# Altium PCB MATEKH743.PcbDoc (part 1 of 2) (continued)
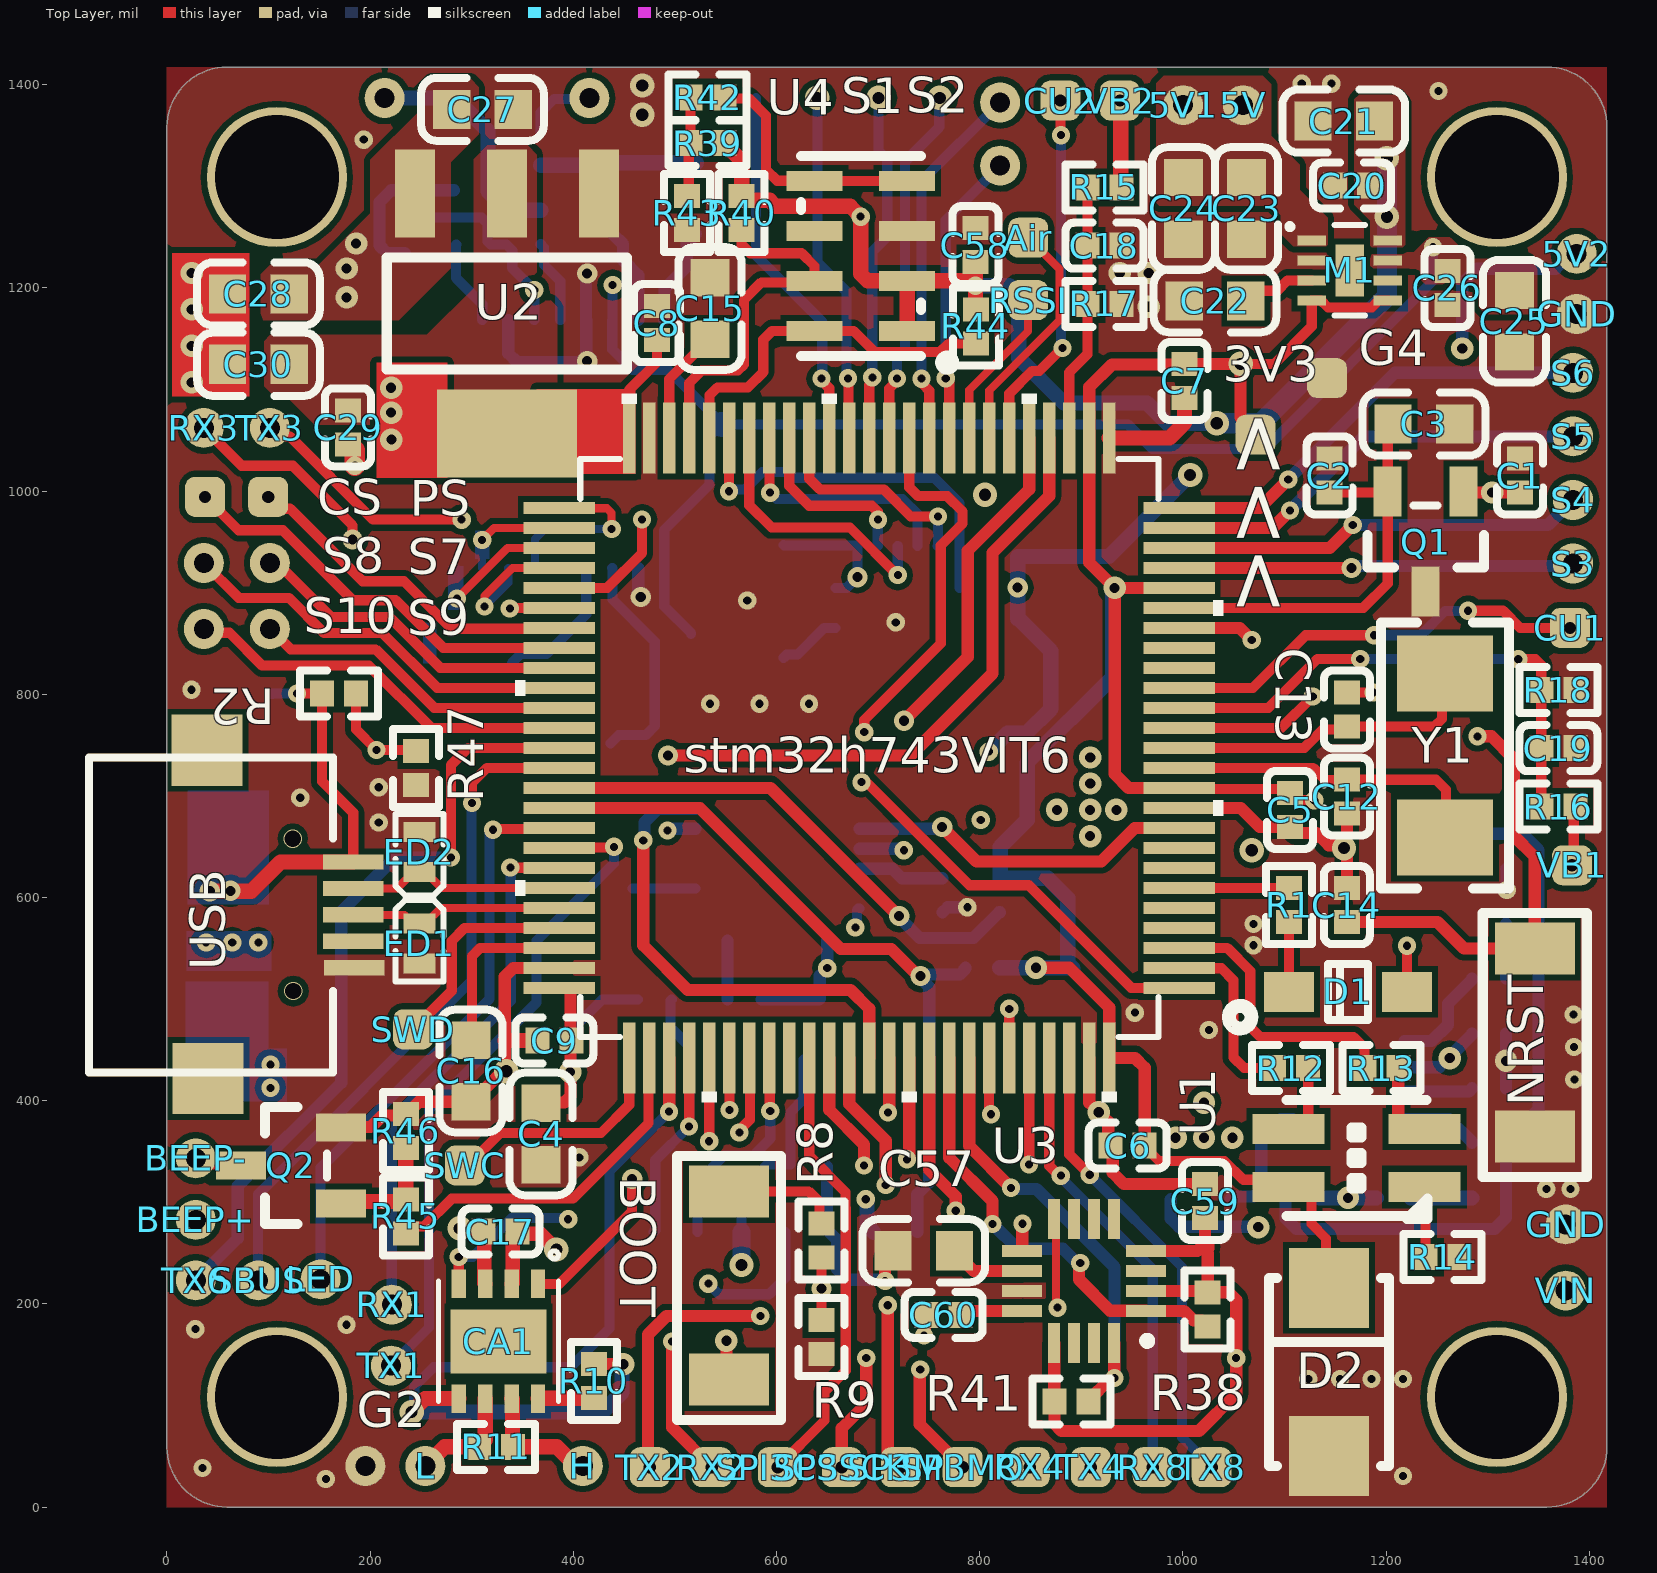
[diagram p0: Top Layer view]
## Components (designator, comment, footprint, x,y, rotation, side; value= is the part's Value field where it differs from the comment)
3V3 "1P" 1P-1.0 1071.5,1055.6 r0 top
5V "pin" DIAN_0.5-1.0 1059.2,1379.9 r0 top
5V1 "pin" DIAN_0.5-1.0 1000.3,1379.9 r0 top
5V2 "pin" DIAN_0.5-1.0 1387.6,1233.6 r0 top
Air "1P" 1P-1.0 847.7,1249.5 r90 top
BEEP+ "pin" DIAN_0.5-1.0 28.4,282.8 r90 top
BEEP- "pin" DIAN_0.5-1.0 28.4,343.4 r90 top
BOOT "sw" SW_3*4mm 553.3,218.3 r270 top
C1 "104" 0402_C 1331.7,1015.37 r270 top
C2 "104" 0402_C 1144.5,1015.37 r270 top
C3 "2.2u" 0603_C 1237.2,1066.2 r180 top
C4 "10uf" 0603_C 368.3,367.3 r90 top
C5 "104" 0402_C 1105.5,686.2 r270 top
C6 "104" 0402_C 945.7,355.8 r180 top
C7 "104" 0402_C 1001.5,1108.5 r270 top
C8 "104" 0402_C 482.3,1165.3 r90 top
C9 "104" 0402_C 381.3,459.3 r180 top
C10 "2.2U" 0603_C 891.7,500.1 r90 bottom
C11 "104" 0402_C 630.6,337.5 r180 bottom
C12 "12P" 0402_C 1161.5,699.3 r90 top
C13 "12P" 0402_C 1161.5,785.23 r270 top
C14 "104" 0402_C 1161.3,592.5 r270 top
C15 "2.2u" 0603_C 534.6,1179.8 r270 top
C16 "2.2u" 0603_C 299.3,429.3 r90 top
C17 "104" 0402_C 328.3,271.3 r0 top
C18 "10nf" 0402_C 922.73,1241.57 r180 top
C19 "10nf" 0402_C 1369.5,747 r180 top
C20 "104" 0402_C 1166.57,1300.7 r0 top
C21 "10U" 0603_C 1158.3,1364.3 r180 top
C22 "104" 0603_C 1031.6,1187.3 r180 top
C23 "104" 0603_C 1062.6,1278.3 r90 top
C24 "10u" 0603_C 1000.6,1278.3 r90 top
C25 "10U" 0603_C 1326.3,1167.3 r270 top
C26 "104" 0402_C 1260.3,1200.03 r90 top
C27 "4.7u" 0603_C 310.58,1375.8 r0 top
C28 "104" 0603_C 90.09,1194.1 r0 top
C29 "104" 0402_C 178.3,1062.9 r90 top
C30 "10U" 0603_C 90.09,1125 r180 top
C31 "4.7u" 0603_C 984.5,426.41 r270 bottom
C32 "0.1u" 0402_C 1047.1,418.4 r270 bottom
C35 "104" 0402_C 1301.33,574.15 r0 bottom
C37 "22uf" 1206_C 995.2,602.3 r90 bottom
C39 "33pf" 0402_C 1301.33,304.4 r0 bottom
C41 "104" 0402_C 1301.33,412.3 r180 bottom
C43 "47uF" 0805_C 520.9,1288.2 r90 bottom
C44 "47uF" 0805_C 438.9,1288.2 r90 bottom
C45 "104" 0402_C 367.9,1259.75 r90 bottom
C46 "104" 0402_C 234,1250.97 r270 bottom
C47 "104" 0402_C 532.5,859.5 r0 bottom
C48 "104" 0402_C 837.5,1049 r270 bottom
C49 "2.2nF (222) 10% 50V" LC-0402_C 458.5,592.2 r270 bottom
C50 "104" LC-0402_C 607,930.23 r90 bottom
C51 "2.2u" 0603_C 837.2,844.2 r90 bottom
C52 "104" LC-0402_C 607,852.77 r90 bottom
C53 "103" LC-0402_C 658.43,499.7 r180 bottom
C54 "104" LC-0402_C 568.4,499.7 r180 bottom
C55 "103" LC-0402_C 837.5,952.53 r90 bottom
C56 "104" LC-0402_C 763.5,602.2 r90 bottom
C57 "4.7uF" 0603_C 744.98,252.3 r0 top
C58 "104" LC-0402_C 795.8,1242.13 r270 top
C59 "104" LC-0402_C 1021.8,301.2 r270 top
C60 "220nf" LC-0402_C 764.57,189.3 r180 top
CA1 "TJA1051TK" CAN-TJA1051TK 326.3,163.3 r270 top
CS "1P" 1P-1.0 37.6,994.4 r0 top
CT47 "1P" 1P-1.0 579.97,1387.1 r270 bottom
CU1 "1P" 1P-1.0 1381,865.4 r90 top
CU2 "1P" 1P-1.0 879.3,1384.5 r90 top
D1 "B5819W  SL" SOD-123 1162.4,507.3 r0 top
D2 "B340a" SMA(DO-214AC)_S1 1143.8,133.2 r270 top
D3 "SS14" SMA(DO-214AC)_S1 59.3,584.3 r90 bottom
ED1 "PESD" PESD0402 250.05,554.25 r90 top
ED2 "PESD" PESD0402 246.95,645.35 r270 top
ED3 "PESD" PESD0402 83.7,802 r0 bottom
G2 "pin" DIAN_0.5-1.0 195.3,40.5 r0 top
G4 "1P" 1P-1.0 1141.9,1111.3 r0 top
GND "pin" DIAN_0.5-1.0 1376.7,278.4 r0 top (schematic designator G3)
GND "pin" DIAN_0.5-1.0 1387.6,1174.4 r0 top
H "pin" DIAN_0.5-1.0 409.3,40.5 r0 top (schematic designator CAN-H)
IC1 "AT7456E" TSSOP28_L_E 374.3,1046.3 r90 bottom
IC2 "MPU-6000" MPU6000 600.9,638.3 r270 bottom
IC*1 "ICM20602" LGA16-icm20602 719.21,885.12 r270 bottom
L "pin" DIAN_0.5-1.0 254.3,40.5 r0 top (schematic designator CAN-L)
L1 "15uH 20%" 0530-L 1152,662 r90 bottom
LED "pin" DIAN_0.5-1.0 151.3,224.3 r90 top
M1 "MIC5330-SSYML-TR" MIC5330-SSYML-TR 1164.3,1217.3 r0 top
NRST "sw" SW_3*4mm 1346.3,457.4 r270 top
PS "1P" 1P-1.0 99.7,994.4 r0 top
Q1 "REF3333AIDCKR" SOT-23(SOT-23-3) 1239,950.3 r90 top
Q2 "SS8050 Y1" SOT-23(SOT-23-3) 122.12,336.3 r0 top
R1 "220R" 0402_R 1104.5,592.5 r270 top
R2 "10K" 0402_R 169.3,800.87 r180 top
R3 "100K" 0402_R 610,440.4 r0 bottom
R4 "100K" 0402_R 480.17,499.7 r180 bottom
R5 "100K" 0402_R 302.9,137.7 r180 bottom
R6 "100K" 0402_R 802.87,530.9 r0 bottom
R7 "100K" 0402_R 820.1,602.2 r90 bottom
R8 "220R" 0402_R 644.3,262.57 r270 top
R9 "10K" 0402_R 644.3,167.57 r90 top
R10 "10K" 0402_R 420.2,124.2 r90 top
R11 "120R" 0402_R 324.1,59.4 r0 top
R12 "1K" 0402_R 1106.6,432.2 r180 top
R13 "1K" 0402_R 1195.3,432.2 r180 top
R14 "1K" 0402_R 1255.6,246 r0 top
R15 "10K" 0402_R 922.73,1298.9 r0 top
R16 "10K" 0402_R 1369.5,689.5 r0 top
R17 "1K" 0402_R 922.73,1184.23 r0 top
R18 "1K" 0402_R 1369.5,804.5 r0 top
R19 "100K" 0402_R 988.3,319.8 r90 bottom
R21 "20R" 0402_R 1301.33,520.2 r180 bottom
R23 "21K" 0402_R 1301.33,466.25 r180 bottom
R25 "100K" 0402_R 1046.8,319.8 r90 bottom
R27 "0R" 0402_R 1301.33,358.35 r180 bottom
R28 "475K" 0402_R 1207.23,304.4 r0 bottom
R31 "475K" 0402_R 1117.67,304.4 r0 bottom
R33 "84.5K" 0402_R 1301.33,628.1 r0 bottom
R35 "75R" 0402_R 367.9,1337.4 r90 bottom
R36 "75R" 0402_R 299.3,1296.1 r0 bottom
R37 "1K" 0402_R 301.86,1242.9 r0 bottom
R38 "4.7K" LC-0402_R 1024.4,194.8 r90 top
R39 "0R/NC" LC-0402_R 532.1,1342.6 r0 top
R40 "4.7K" LC-0402_R 565.7,1273.9 r90 top
R41 "4.7K" LC-0402_R 890.3,104.1 r0 top
R42 "1k" LC-0402_R 532.1,1387.6 r0 top
R43 "0R" LC-0402_R 511.9,1273.9 r90 top
R44 "4.7K" LC-0402_R 796.1,1162.1 r270 top
R45 "100R" 0402_R 235.12,286.3 r90 top
R46 "1K" 0402_R 235.12,370.3 r90 top
R47 "0R" 0402_R 245.3,727.3 r270 top
RSSI "1P" 1P-1.0 847.7,1188 r90 top
RTS7 "1P" 1P-1.0 640.2,1387.1 r270 bottom
RX1 "pin" DIAN_0.5-1.0 221.3,199.3 r90 top
RX2 "1P" 1P-1.0 536.3,39.3 r0 top
RX3 "pin" DIAN_0.5-1.0 36.3,1062.3 r90 top
RX4 "1P" 1P-1.0 849.3,39.3 r0 top
RX7 "1P" 1P-1.0 760.67,1387.1 r270 bottom
RX8 "1P" 1P-1.0 970.3,39.3 r90 top
S1 "pin" DIAN_0.5-1.0 820.2,1320.4 r90 top
S2 "pin" DIAN_0.5-1.0 820.2,1382.6 r90 top
S3 "pin" DIAN_0.5-1.0 1384,928.8 r90 top
S4 "pin" DIAN_0.5-1.0 1384,991.37 r0 top
S5 "pin" DIAN_0.5-1.0 1384,1053.93 r0 top
S6 "pin" DIAN_0.5-1.0 1384,1116.5 r0 top
S7 "pin" DIAN_0.5-1.0 101.3,929.3 r0 top
S8 "pin" DIAN_0.5-1.0 36.3,929.3 r90 top
S9 "pin" DIAN_0.5-1.0 101.3,864.3 r0 top
S10 "pin" DIAN_0.5-1.0 36.3,864.3 r0 top
SBUS "pin" DIAN_0.5-1.0 89.8,223.3 r90 top
SP3MI "1P" 1P-1.0 722.3,39.3 r90 top
SP3MO "1P" 1P-1.0 783.3,39.3 r90 top
SP3SCK "1P" 1P-1.0 664.3,39.3 r90 top
SPI3CS "1P" 1P-1.0 601.3,39.3 r90 top
stm32h743VIT6 "stm32h743VIT6" LQFP100-14x14mm 691.3,747.3 r180 top locked
SWC "1P" 1P-1.0 293.3,336.3 r90 top
SWD "1P" 1P-1.0 242.3,470.3 r90 top
T1 "MINI_TF" mini_TF 583.32,185.7 r180 bottom locked
TX1 "pin" DIAN_0.5-1.0 220.6,139.3 r90 top
TX2 "1P" 1P-1.0 475.3,39.3 r0 top
TX3 "pin" DIAN_0.5-1.0 101.3,1062.3 r90 top
TX4 "1P" 1P-1.0 909.3,39.3 r0 top
TX6 "pin" DIAN_0.5-1.0 28.4,223.3 r90 top
TX7 "1P" 1P-1.0 700.43,1387.1 r270 bottom
TX8 "1P" 1P-1.0 1028.3,39.3 r0 top
U1 "RGB-LED" RGB-3528 1171.2,343.8 r180 top
U2 "AMS1117-5.0" SOT-223 334.5,1175 r90 top
U3 "HMC5883L" HMC5883L 902.8,222.7 r180 top
U4 "MS5611" MS5611 683,1231.6 r180 top locked
USB "miniUSB" USB-MINI-2 171.4,635 r180 top locked
U？ "MP9942" SOT23-8L 1163.2,420.1 r90 bottom
VB1 "1P" 1P-1.0 1383,631.8 r0 top
VB2 "1P" 1P-1.0 938,1384.5 r90 top
VIN "pin" DIAN_0.5-1.0 1376.7,213.1 r0 top (schematic designator 18)
VT-I "pin" DIAN_0.5-1.0 214.3,1386.9 r90 bottom
VT-O "pin" DIAN_0.5-1.0 415.7,1386.9 r90 bottom
X1 "27M" XTAL-3225 392.2,793.5 r0 bottom
Y1 "8MHz" SMD-5032_2P 1258,739.8 r270 top

## Footprints (in the part's own frame and the unit in brackets; to place one, negate y for a bottom-side part, rotate by r counter-clockwise, add the part's x,y. Pads: shape width x height; smd on the part's side, far side on the other; paste and mask are expansions set on the pad)
1P-1.0 [mm]
  rrect50% 1x1 smd: 1(0,0)
0402_C [mm]
  rect 0.6x0.65 smd mask+0.051: 1(-0.425,0) 2(0.425,0)
  silkscreen extent -0.97,-0.58 0.97,0.58, body extent -0.48,-0.3 0.52,0.3, height 0.2
0402_R [mm]
  rect 0.6x0.65 smd mask+0.051: 1(-0.425,0) 2(0.425,0)
  silkscreen extent -0.97,-0.58 0.97,0.58, body extent -0.57,-0.27 0.58,0.28, height 0.41
0530-L [mm]
  rect 1.5x2.2 smd: 1(-2.1,0) 2(2.1,0)
  silkscreen extent -2.54,-2.54 2.54,2.54
0603_C [mm]
  rect 0.93x0.98 smd: 1(-0.77,0) 2(0.77,0)
  silkscreen extent -1.53,-0.79 1.54,0.79, body extent -0.8,-0.4 0.8,0.4, height 0.3
0805_C [mm]
  rect 1.16x1.47 smd: 1(-0.89,0) 2(0.89,0)
  silkscreen extent -1.77,-1.04 1.77,1.04, body extent -1,-0.63 1,0.62, height 0.77
1206_C [mm]
  rect 1.13x1.8 smd: 1(-1.49,0) 2(1.49,0)
  silkscreen extent -2.36,-1.2 2.35,1.2, body extent -1.6,-0.81 1.6,0.79, height 1
CAN-TJA1051TK [mil]
  rect 28x14 smd: 1(-56.4,39) 2(-56.4,13) 3(-56.4,-13) 4(-56.4,-39) 5(56.4,-39) 6(56.4,-13) 7(56.4,13) 8(56.4,39)
  rect 62.99x94.49 smd: 9(0,0)
  silkscreen extent -89,-59 59,59, body extent -59,-59 59,59, height 39
DIAN_0.5-1.0 [mm]
  round 1 hole 0.5: 1(0,0)
HMC5883L [mm] "16-PIN LPCC"
  rect 1x0.3 smd: 1(-1.55,0.75) 2(-1.55,0.25) 3(-1.55,-0.25) 4(-1.55,-0.75) 9(1.55,-0.75) 10(1.55,-0.25) 11(1.55,0.25) 12(1.55,0.75)
  rect 0.3x1 smd: 5(-0.75,-1.55) 6(-0.25,-1.55) 7(0.25,-1.55) 8(0.75,-1.55) 13(0.75,1.55) 14(0.25,1.55) 15(-0.25,1.55) 16(-0.75,1.55)
  silkscreen extent -1.68,1.4 -1.48,1.6, body extent -1.5,-1.5 1.5,1.5, height 0.9
LC-0402_C [mm]
  rect 0.6x0.65 smd mask+0.051: 1(-0.425,0) 2(0.425,0)
  silkscreen extent -0.97,-0.58 0.97,0.58, body extent -0.48,-0.3 0.52,0.3, height 0.2
LC-0402_R [mm]
  rect 0.6x0.65 smd mask+0.051: 1(-0.425,0) 2(0.425,0)
  silkscreen extent -0.97,-0.58 0.97,0.58, body extent -0.57,-0.27 0.58,0.28, height 0.41
LGA16-icm20602 [mm]
  oval 0.85x0.28 smd: 1(-1.55,1) 2(-1.55,0.5) 3(-1.55,0) 4(-1.55,-0.5) 5(-1.55,-1) 9(1.55,-1) 10(1.55,-0.5) 11(1.55,0) 12(1.55,0.5) 13(1.55,1)
  oval 0.28x0.85 smd: 6(-0.5,-1.55) 7(0,-1.55) 8(0.5,-1.55) 14(0.5,1.55) 15(0,1.55) 16(-0.5,1.55)
  silkscreen extent -2.3,-1.73 1.73,1.72, body extent -1.55,-1.55 1.55,1.55, height 0.81
LQFP100-14x14mm [mil]
  rect 70x12 smd: 1(-305.12,236.22) 2(-305.12,216.54) 3(-305.12,196.85) 4(-305.12,177.17) 5(-305.12,157.48) 6(-305.12,137.8) 7(-305.12,118.11) 8(-305.12,98.43) 9(-305.12,78.74) 10(-305.12,59.06) 11(-305.12,39.37) 12(-305.12,19.69) 13(-305.12,0) 14(-305.12,-19.68) 15(-305.12,-39.37) 16(-305.12,-59.06) 17(-305.12,-78.74) 18(-305.12,-98.43) 19(-305.12,-118.11) 20(-305.12,-137.8) 21(-305.12,-157.48) 22(-305.12,-177.17) 23(-305.12,-196.85) 24(-305.12,-216.54) 25(-305.12,-236.22) 51(305.12,-236.22) 52(305.12,-216.54) 53(305.12,-196.85) 54(305.12,-177.17) 55(305.12,-157.48) 56(305.12,-137.8) 57(305.12,-118.11) 58(305.12,-98.43) 59(305.12,-78.74) 60(305.12,-59.06) 61(305.12,-39.37) 62(305.12,-19.68) 63(305.12,0) 64(305.12,19.68) 65(305.12,39.37) 66(305.12,59.06) 67(305.12,78.74) 68(305.12,98.43) 69(305.12,118.11) 70(305.12,137.8) 71(305.12,157.48) 72(305.12,177.17) 73(305.12,196.85) 74(305.12,216.54) 75(305.12,236.22)
  rect 12x70 smd: 26(-236.22,-305.12) 27(-216.54,-305.12) 28(-196.85,-305.12) 29(-177.17,-305.12) 30(-157.48,-305.12) 31(-137.8,-305.12) 32(-118.11,-305.12) 33(-98.43,-305.12) 34(-78.74,-305.12) 35(-59.06,-305.12) 36(-39.37,-305.12) 37(-19.68,-305.12) 38(0,-305.12) 39(19.68,-305.12) 40(39.37,-305.12) 41(59.06,-305.12) 42(78.74,-305.12) 43(98.43,-305.12) 44(118.11,-305.12) 45(137.8,-305.12) 46(157.48,-305.12) 47(177.17,-305.12) 48(196.85,-305.12) 49(216.54,-305.12) 50(236.22,-305.12) 76(236.22,305.12) 77(216.54,305.12) 78(196.85,305.12) 79(177.17,305.12) 80(157.48,305.12) 81(137.8,305.12) 82(118.11,305.12) 83(98.43,305.12) 84(78.74,305.12) 85(59.06,305.12) 86(39.37,305.12) 87(19.68,305.12) 88(0,305.12) 89(-19.68,305.12) 90(-39.37,305.12) 91(-59.06,305.12) 92(-78.74,305.12) 93(-98.43,305.12) 94(-118.11,305.12) 95(-137.8,305.12) 96(-157.48,305.12) 97(-177.17,305.12) 98(-196.85,305.12) 99(-216.54,305.12) 100(-236.22,305.12)
  silkscreen extent -380,-349 349,349, body extent -315,-315 315,315, height 63
MIC5330-SSYML-TR [mil]
  rect 28x10 smd: 1(-37.5,29.53) 2(-37.5,9.84) 3(-37.5,-9.84) 4(-37.5,-29.53) 5(37.5,-29.53) 6(37.5,-9.84) 7(37.5,9.84) 8(37.5,29.53)
  rect 28x51 smd: 9(0,0)
  silkscreen extent -59,-44 15,44, body extent -39,-39 39,39, height 35
mini_TF [mm]
  rect 0.7x1.2 smd: 1(3.755,2.159) 2(2.655,2.159) 3(1.555,2.159) 4(0.455,2.159) 5(-0.645,2.159) 6(-1.745,2.159) 7(-2.845,2.159) 8(-3.945,2.159)
  rect 1.5x3.8 smd: 9(-5.445,-0.341)
  rect 1.5x1.4 smd: 10(5.405,0.409)
  silkscreen extent -5.6,-2.41 5.83,3.05
MPU6000 [mm]
  rect 2.6x2.6 smd: 0(0,0)
  oval 0.85x0.32 smd: 1(-2.05,1.25) 2(-2.05,0.75) 3(-2.05,0.25) 4(-2.05,-0.25) 5(-2.05,-0.75) 6(-2.05,-1.25) 13(2.05,-1.25) 14(2.05,-0.75) 15(2.05,-0.25) 16(2.05,0.25) 17(2.05,0.75) 18(2.05,1.25)
  oval 0.32x0.85 smd: 7(-1.25,-2.05) 8(-0.75,-2.05) 9(-0.25,-2.05) 10(0.25,-2.05) 11(0.75,-2.05) 12(1.25,-2.05) 19(1.25,2.05) 20(0.75,2.05) 21(0.25,2.05) 22(-0.25,2.05) 23(-0.75,2.05) 24(-1.25,2.05)
  silkscreen extent -2.77,-2.05 2.05,2.05, body extent -2.02,-2.02 2.02,2.02, height 0.88
MS5611 [mm]
  rect 1.4x0.5 smd: 1(-1.16,1.875) 2(-1.16,0.625) 3(-1.16,-0.625) 4(-1.16,-1.875) 5(1.16,-1.875) 6(1.16,-0.625) 7(1.16,0.625) 8(1.16,1.875)
  silkscreen extent -2.21,-2.5 1.5,2.72, body extent -1.55,-2.5 1.55,2.5, height 1.01
PESD0402 [mil]
  rect 19.7x31.5 smd: 1(20.05,1.55) 2(-19.35,1.55)
  silkscreen extent -37,-22 43,25
RGB-3528 [mm]
  rect 1.8x0.75 smd: 1(1.709,0.727) 2(1.709,-0.723) 3(-1.691,0.727) 4(-1.691,-0.723)
  silkscreen extent -1.77,-1.45 1.76,1.53, body extent -1.75,-1.4 1.75,1.4, height 1.9
SMA(DO-214AC)_S1 [mm]
  rect 2x2 smd: 1(2.1,0) 2(-2.1,0)
  silkscreen extent -2.35,-1.5 2.35,1.5
SMD-5032_2P [mm]
  rect 1.9x2.4 smd: 1(-2.05,0) 2(2.05,0)
  silkscreen extent -3.32,-1.6 3.32,1.6
SOD-123 [mm]
  rect 1.25x1 smd: 1(1.475,0) 2(-1.475,0)
  silkscreen extent -0.5,-0.7 0.5,0.7, body extent -1.85,-0.77 1.85,0.78, height 1.35
SOT23-8L [mm]
  rect 0.4x1 smd: 1(-0.975,-1.397) 2(-0.325,-1.397) 3(0.325,-1.397) 4(0.975,-1.397) 5(0.975,1.397) 6(0.325,1.397) 7(-0.325,1.397) 8(-0.975,1.397)
  silkscreen extent -1.77,-1.78 1.55,0.51, body extent -1.5,-1.4 1.5,1.4, height 1.15
SOT-23(SOT-23-3) [mm]
  rect 1.25x0.7 smd: 1(1.25,-0.95) 2(1.25,0.95) 3(-1.25,0)
  silkscreen extent -0.65,-1.46 0.9,1.46, body extent -1.5,-1.5 1.5,1.5, height 1.3
SOT-223 [mm]
  rect 2.2x1 smd: 1(3,-2.3) 2(3,0) 3(3,2.3)
  rect 2.2x3.5 smd: 2(-3,0)
  silkscreen extent -1.4,-3 1.4,3, body extent -3.49,-3.24 3.49,3.24, height 1.64
SW_3*4mm [mm]
  rect 1.3x2 smd paste+0 mask+0.2: 1(-2.35,0) 2(2.35,0)
  silkscreen extent -3.24,-1.3 3.37,1.3
TSSOP28_L_E [mm]
  rect 2.75x6.2 smd: 0(0,0)
  rect 1.1x0.3 smd: 1(-3.1,4.225)
  oval 1.1x0.3 smd: 2(-3.1,3.575) 3(-3.1,2.925) 4(-3.1,2.275) 5(-3.1,1.625) 6(-3.1,0.975) 7(-3.1,0.325) 8(-3.1,-0.325) 9(-3.1,-0.975) 10(-3.1,-1.625) 11(-3.1,-2.275) 12(-3.1,-2.925) 13(-3.1,-3.575) 14(-3.1,-4.225) 15(3.1,-4.225) 16(3.1,-3.575) 17(3.1,-2.925) 18(3.1,-2.275) 19(3.1,-1.625) 20(3.1,-0.975) 21(3.1,-0.325) 22(3.1,0.325) 23(3.1,0.975) 24(3.1,1.625) 25(3.1,2.275) 26(3.1,2.925) 27(3.1,3.575) 28(3.1,4.225)
  silkscreen extent -3.3,-4.83 2.03,4.96, body extent -3.2,-4.9 3.2,4.9, height 1.03
USB-MINI-2 [mil]
  rect 70x70 smd: 0(131,213) 0(132,-110)
  rect 60x15 smd: 1(-12,0) 2(-12,26) 3(-12,52) 4(-12,78) 5(-13,104)
  silkscreen extent 8,-103 248,207, body extent 0,-135 234,239, height 107
XTAL-3225 [mm]
  rect 1.3x1.1 smd: 1(-1.338,-0.951) 2(1.126,-0.951) 3(1.126,1.056) 4(-1.338,1.056)
  silkscreen extent -2.28,-2.3 2.04,1.89, body extent -1.72,-1.24 1.48,1.26, height 0.8

## Part data
5V 5V1 5V2 BEEP+ BEEP- G2 GND GND H L LED RX1 RX3 S1 S2 S3 S4 S5 S6 S7 S8 S9 S10 SBUS TX1 TX3 TX6 VIN VT-I VT-O: library part dian
BOOT NRST: library part SW3*4mm
C1 C2 C5 C6 C7 C8 C9 C11 C12 C13 C14 C17 C18 C19 C20 C26 C29 C45 C46 C47 C48: library part "0402 100nF (104) 10% 16V", "贴片电容", Package=0402, SuppliersPartNumber=C1525, ComponentLink1Description=供应商链接, ComponentLink1URL=http://www.szlcsc.com/product/details_1877.html, Supplier=LC
C3 C4 C15 C16: library part "0603 10nF (103) 10% 50V", "贴片电容", Package=0603, SuppliersPartNumber=C57112, ComponentLink1Description=供应商链接, ComponentLink1URL=http://www.szlcsc.com/product/details_58143.html, Supplier=LC
C10 C21 C22 C23 C24 C25 C27 C28 C30 C31: library part "0603 100nF (104) 10% 50V", "贴片电容", Package=0603, SuppliersPartNumber=C14663, ComponentLink1Description=供应商链接, ComponentLink1URL=http://www.szlcsc.com/product/details_15331.html, Supplier=LC
C32 C35 C39 C41: library part "0402 10nF (103) 10% 50V", "贴片电容", Package=0402, SuppliersPartNumber=C15195, ComponentLink1Description=供应商链接, ComponentLink1URL=http://www.szlcsc.com/product/details_15869.html, Supplier=LC
C37: library part "1206 100nF (104) 10% 50V", "贴片电容", Package=1206, SuppliersPartNumber=C24497, ComponentLink1Description=供应商链接, ComponentLink1URL=http://www.szlcsc.com/product/details_25237.html, Supplier=LC
C43 C44: library part "0805 100nF(104) 10% 50V", "贴片电容", Package=0805, SuppliersPartNumber=C49678, ComponentLink1Description=供应商链接, ComponentLink1URL=http://www.szlcsc.com/product/details_50686.html, Supplier=LC
C49 C50 C51 C52 C53 C54 C55 C56 C57 C58 C59 C60: library part "0603 2.2nF (222) 10% 50V", "贴片电容", Package=0603, SuppliersPartNumber=C1604, ComponentLink1Description=供应商链接, ComponentLink1URL=http://www.szlcsc.com/product/details_1956.html, Supplier=LC
CA1: "CAN收发器"
D1: library part "SOD-123 B5819W  SL", "肖特基二极管", Package=SOD-123, SuppliersPartNumber=C8598, ComponentLink1Description=供应商链接, ComponentLink1URL=http://www.szlcsc.com/product/details_9093.html, Supplier=LC
D2: library part "SMA(DO-214AC) M7", "二极管", Package=SMA(DO-214AC), SuppliersPartNumber=C95872, ComponentLink1Description=供应商链接, ComponentLink1URL=http://www.szlcsc.com/product/details_2841.html, Supplier=LC, 备注="1N4007 4007 编号C2464 已经停售, 使用新物料编号C95872"
D3: library part "SMA(DO-214AC) SS54", "二极管", Package=SMA(DO-214AC), SuppliersPartNumber=C22452, ComponentLink1Description=供应商链接, ComponentLink1URL=http://www.szlcsc.com/product/details_23178.html, Supplier=LC
ED1 ED2 ED3: library part PESD0402, "ESD"
IC1: "OSD芯片"
IC2: "传感器", Package=QFN-24_4x4x05P, SuppliersPartNumber=C24112, ComponentLink1Description=供应商链接, ComponentLink1URL=http://www.szlcsc.com/product/details_24852.html, Supplier=LC
L1: library part "0402 15nH 5%", "贴片电感", Package=0402, SuppliersPartNumber=C27143, ComponentLink1Description=供应商链接, ComponentLink1URL=http://www.szlcsc.com/product/details_27892.html, Supplier=LC
M1: "LDO"
Q1 Q2: library part "SOT-23 SS8050 Y1", "三极管", Package=SOT-23, SuppliersPartNumber=C2150, ComponentLink1Description=供应商链接, ComponentLink1URL=http://www.szlcsc.com/product/details_2507.html, Supplier=LC
R1 R2 R3 R4 R5 R6 R7 R8 R9 R10 R11 R12 R13 R14 R15 R16 R17 R18 R35 R36 R37 R45 R46: library part "0402 100Ω (1000) 1%", "贴片电阻", Package=0402, SuppliersPartNumber=C25076, ComponentLink1Description=供应商链接, ComponentLink1URL=http://www.szlcsc.com/product/details_25819.html, Supplier=LC
R19 R21 R23 R25 R27 R28 R31 R33 R47: library part "0402 10KΩ (1002) 1%", "贴片电阻", Package=0402, SuppliersPartNumber=C25744, ComponentLink1Description=供应商链接, ComponentLink1URL=http://www.szlcsc.com/product/details_26487.html, Supplier=LC
R38 R39 R40 R41 R42 R43 R44: library part "0603 2.2KΩ (2201) 1%", "贴片电阻", Package=0603, SuppliersPartNumber=C4190, ComponentLink1Description=供应商链接, ComponentLink1URL=http://www.szlcsc.com/product/details_4597.html, Supplier=LC
T1: "TF-card"
U2: library part "SOT-223 AMS1117-5.0", "低压差线性稳压(LDO)", Package=SOT-223, SuppliersPartNumber=C6187, ComponentLink1Description=供应商链接, ComponentLink1URL=http://www.szlcsc.com/product/details_6653.html, Supplier=LC
U3: "3-Axis Digital Compass"
U？: "DC-DC 2A 4-36V"
X1: library part XTAL-4P, "4脚无源晶振", BOM名称=4脚晶振, 学习资源=www.ooocke.com, 版权归属=源创客
Y1: library part "SMD-5032_2P 8MHz 20ppm 20pF", "贴片晶振", Package=SMD-5032_2P, SuppliersPartNumber=C115962, ComponentLink1Description=供应商链接, ComponentLink1URL=http://www.szlcsc.com/product/details_117214.html, Supplier=LC

## Free pads (board coordinates)
  round 137.8 hole 122.05: 1(108.3,108.3) 1(108.3,1309.09) 1(1309.09,108.3) 1(1309.09,1309.09)

## Via types
v1: diameter 18, hole 8, Top Layer to Bottom Layer, tented both sides, 128 vias
v2: diameter 22, hole 10, Top Layer to Bottom Layer, tented both sides, 35 vias
v3: diameter 24, hole 12, Top Layer to Bottom Layer, tented both sides, 34 vias
v4: diameter 20, hole 10, Top Layer to Bottom Layer, tented both sides, 16 vias
v5: diameter 18, hole 16, Top Layer to Bottom Layer, 2 vias

## Nets (pads, with @x,y where several pads share a name; then routed paths per layer and width w, separated by ;. In a path a pad name is that pad's centre, name@x,y a point inside that pad or via, vN(x,y) a via of type N, cw(c..) or ccw(c..) an arc to the next point about the centre after c; other vN are vias at no path point)
Airs: Air.1 stm32h743VIT6.32 | length 238.6
  Top Layer w8: stm32h743VIT6.32@809.41,1052.42 809.41,1098.96 878.7,1168.25 878.7,1218.5 Air.1@847.7,1249.5
BEEPER: R45.1 stm32h743VIT6.77 | length 348.3
  Top Layer w10: R45.1@235.12,269.57 241.93,276.38 253.06,276.38 280.38,303.7 399.7,303.7 474.1,378.1 474.1,441.52 stm32h743VIT6.77@474.76,442.18
Beeper-: BEEP-.1 Q2.3 | length 47.4
  Top Layer w15: BEEP-.1@28.4,343.4 31.95,339.85 69.36,339.85 Q2.3@72.91,336.3
Camera_SW: CS.1 stm32h743VIT6.58 | length 410.2
  Top Layer w10: v3(37.6,994.4) 70.5,961.5 114,961.5 182.89,892.61 225.12,892.61 272,845.73 stm32h743VIT6.58@386.18,845.73
CAN_H: CA1.7 H.1 R11.2 | length 124.4
  Top Layer w15: CA1.7@339.3,106.9 340.07,106.13 340.07,60.17 R11.2@340.83,59.4 383.81,59.4 402.71,40.5 H.1@409.3,40.5
CAN_L: CA1.6 L.1 R11.1 | length 101.5
  Top Layer w15: L.1@254.3,40.5 273.2,59.4 R11.1@307.37,59.4 ; R11.1@313.3,66.32 CA1.6@313.3,106.9
CAN_RX: CA1.4 stm32h743VIT6.82 | length 444
  Top Layer w10: CA1.4@287.3,219.7 v1(287.3,246.3) ; v1(563.43,368.79) 563.43,370.95 573.8,381.32 573.8,441.57 stm32h743VIT6.82@573.19,442.18
  Power w10: v1(394.9,283.4) 498.8,283.4 563.2,347.8 563.2,368.56 v1(563.43,368.79)
  Bottom Layer w10: v1(287.3,246.3) 301.1,246.3 339.3,284.5 v1@394.9,284.5
CAN_TX: CA1.1 stm32h743VIT6.81 | length 399.7
  Top Layer w10: CA1.1@365.3,219.7 386.3,219.7 457.9,291.3 v4(457.9,323) ; stm32h743VIT6.81@553.5,442.18 553.8,441.88 553.8,391.2 v1(553.8,390.9)
  Power w10: v4(457.9,323) 459.2,324.3 459.2,401.6 468.5,410.9 548.04,410.9 553.9,405.04 553.9,391 v1(553.8,390.9)
CSB: R42.2 U4.4 U4.5 | length 245
  Top Layer w10: R42.2@548.83,1387.6 549.83,1386.6 572.6,1386.6 589.73,1369.47 589.73,1316.37 600.63,1305.47 637.28,1305.47 U4.5@637.33,1305.42 U4.4@728.67,1305.42
CTS7: CT47.1 stm32h743VIT6.40 | length 364.8
  Top Layer w10: v1(644.3,1110.8) 644.3,1108.88 651.93,1101.25 stm32h743VIT6.40@651.93,1052.42
  Bottom Layer w10: CT47.1@579.97,1387.1 579.97,1231.63 645,1166.6 v1@645,1110.8
CU2: CU2.1 stm32h743VIT6.31 | length 358.9
  Top Layer w10: stm32h743VIT6.31@829.1,1052.42 829.1,1096.02 851.48,1118.41 858.81,1118.41 v1(881.4,1141) ; v3(879.3,1384.5) 879.65,1384.15 879.65,1350.75 v1(880,1350.4)
  Bottom Layer w10: v1(880,1350.4) 880,1142.4 v1(881.4,1141)
CURR1: CU1.1 stm32h743VIT6.16 | length 423
  Top Layer w10: stm32h743VIT6.16@996.42,806.36 1069.06,806.36 1120.9,858.2 v1(1188,858.2) ; v1(1280.6,882.3) 1315.19,882.3 1332.09,865.4 v3(1381,865.4)
  Bottom Layer w10: v1(1188,858.2) 1234,858.2 1257.9,882.1 1280.4,882.1 v1(1280.6,882.3)
EXT1: IC2.12 stm32h743VIT6.36 | length 599.6
  Top Layer w10: v1(686.4,762.8) 686.4,774.8 761.7,850.1 761.7,946.6 783.2,968.1 783.2,980.04 768.14,995.1 739.4,995.1 730.67,1003.83 stm32h743VIT6.36@730.67,1052.42
  Power w10: v1(677.6,570.5) 677.6,643.4 703.7,669.5 703.7,721.88 686.4,739.18 v1(686.4,762.8)
  Bottom Layer w10: v1(677.6,570.5) 679.13,572.03 679.13,587.89 680.33,589.09 IC2.12@681.61,589.09
EXT2: IC*1.6 stm32h743VIT6.45 | length 383.6
  Top Layer w10: v1(553.19,999.95) 553.19,1001.19 553.25,1001.25 553.25,1052.17 stm32h743VIT6.45@553.5,1052.42
  Bottom Layer w10: v1(553.19,999.95) 554.94,1001.7 568.6,1001.7 585.8,1018.9 609.9,1018.9 615.6,1013.2 755.2,1013.2 780.23,988.17 IC*1.6@780.23,904.8
GND: C1.1 C2.1 C3.1 C4.1 C5.2 C6.2 C7.2 C8.2 C9.2 C10.1 C11.1 C12.1 C13.1 C14.1 C15.1 C16.1 C17.2 C18.1 C19.1 C20.1 C21.2 C22.2 C23.1 C24.1 C25.2 C26.1 C27.2 C28.1 C29.1 C30.2 C31.1 C32.1 C37.1 C41.1 C46.2 C47.2 C48.2 C49.2 C50.1 C51.1 C52.2 C53.1 C54.2 C55.2 C56.1 C57.1 C58.1 C59.1 CA1.2 D2.1 ED1.2 ED2.2 ED3.2 G2.1 G4.1 GND.1 IC1.4 IC1.20 IC1.23 IC2.1 IC2.18 IC*1.9 IC*1.10 IC*1.11 IC*1.12 IC*1.13 IC*1.15 M1.2 NRST.2 Q1.3 Q2.2 R9.1 R14.2 R17.2 R18.2 R23.1 R33.2 R36.1 R43.1 R46.2 R47.2 stm32h743VIT6.10 stm32h743VIT6.19 stm32h743VIT6.26 stm32h743VIT6.49 stm32h743VIT6.74 stm32h743VIT6.99 T1.6 U2.1 U3.9 U3.11 U4.3 USB.5 U？.4 | length 1933.5
  Top Layer w8: 332.5,459 332.8,459.3
  Top Layer w10: C13.1@1161.5,801.96 1161.58,801.88 1187.52,801.88 v1(1187.6,801.8)
  Top Layer w12: Q2.2@171.33,373.7 171.73,374.1 200.8,374.1 212.2,385.5 233.59,385.5 R46.2@235.12,387.03 236.1,387.03 248.06,398.99 C16.1@299.3,398.99 300.28,398.99 330.4,429.1 v3@332.5,429.1 ; v3@335.35,429.1 v3(333.93,429.1) v3@332.5,429.1 ; stm32h743VIT6.74@386.18,530.76 340.86,530.76 332.5,522.4 332.5,459 v3@332.5,429.1 ; v1(706.9,222.7) 706.9,244.53 C57.1@714.67,252.3 ; U3.9@841.78,252.23 841.78,278.12 842.2,278.55 v1(842.2,278.9) ; stm32h743VIT6.99@907.84,442.18 907.84,397.96 v2(917.14,388.66) 926.45,379.35 926.45,358.31 C6.2@928.97,355.8 930.9,353.87 930.9,329.1 942.07,317.93 C59.1@1021.8,317.93 ; stm32h743VIT6.10@996.42,688.24 1056.86,688.24 1075.63,669.47 C5.2@1105.5,669.47 1111.31,663.66 1131.34,663.66 1143.5,651.5 1155.8,651.5 v3(1158.6,648.7) v3@1161.4,645.9 ; stm32h743VIT6.19@996.42,865.41 1055.99,865.41 v1(1067.8,853.6) ; C14.1@1161.3,609.23 1161.4,609.33 v3@1161.4,645.9 ; C12.1@1161.5,682.57 1161.4,682.47 v3@1161.4,645.9
  Top Layer w14: CA1.2@339.3,219.7 340.3,220.7 340.3,266.57 C17.2@345.03,271.3 347.25,269.09 367.81,269.09 v3(383.3,253.6)
  Top Layer w15: 332.8,459.3 C9.2@364.57,459.3 ; stm32h743VIT6.26@927.52,1052.42 986.72,1052.42 1001.5,1067.2 C7.2@1001.5,1091.77
  Top Layer w20: C29.1@178.3,1046.17 179.19,1046.17 185,1040.36 v1(185,1025.1)
  Bottom Layer w12: C46.2@234,1234.24 216.86,1234.24 209.2,1241.9 209.2,1284.48 220.82,1296.1 R36.1@282.57,1296.1 ; IC1.20@335.91,1168.35 335.91,1135.69 344.5,1127.1 412.7,1127.1 v4(413.6,1128) 412.78,1128.82 412.78,1168.25 IC1.23@412.69,1168.35 412.59,1168.44 412.59,1208.41 413.6,1209.42 v4(413.6,1214.3) ; IC1.4@463.87,924.25 463.96,924.16 463.96,900.5 466.4,898.06 v4(466.4,895.9) ; C54.2@551.67,499.7 IC2.18@551.69,557.59 ; C11.1@647.33,337.5 649.68,335.15 649.68,273.05 T1.6@652.03,270.7 659.81,262.92 659.81,233.99 670,223.8 705.8,223.8 v1(706.9,222.7) ; C56.1@763.5,585.47 768.53,590.5 v1(787.8,590.5) ; C41.1@1318.06,412.3 v2(1318.06,439.28) R23.1@1318.06,466.25 ; R33.2@1318.06,628.1 1318.8,627.36 v1(1318.8,607.5)
  other v1: 156.4,27.8 1216.6,30.6 35,38.6 1123.5,126.2 1154.53,126.2 1185.57,126.2 1216.6,126.2 28,175.2 176.7,179.6 1357.7,313.2 1381.4,313.2 405.9,344.3 1385.3,421 1384.9,453 1025.5,469.7 1384.5,485 952.7,486.7 1069.4,553.1 1069.4,574 208.5,673.9 131.2,698.2 208.5,708.6 534.7,790.8 583.35,790.8 632,790.8 24.1,804.5 717.4,870.9 571.2,892.3 193.7,1346 1251.5,1393.8 1117,1401.1 1146.1,1401.1
  other v2: 24.3,1107.1 24.3,1143 24.3,1178.9 966.3,1181.5 24.3,1214.8 937.8,1214.7 966.3,1214.7
  other v3: 467.9,1370.5 467.9,1399.3
IIC1_SCL: R38.1 stm32h743VIT6.92 U3.1 | length 446.1
  Top Layer w12: stm32h743VIT6.92@770.04,442.18 770.04,343.86 812.6,301.3 v1(812.6,278.8) ; v1(899,240.4) 897.85,239.25 897.85,224.35 897.6,224.1 928.34,193.36 943.2,193.36 943.3,193.27 963.73,193.27 U3.1@963.82,193.17 1001.18,193.17 1010.48,183.88 1018.59,183.88 R38.1@1024.4,178.07
  Bottom Layer w12: v1(812.6,278.8) 837.1,254.3 882.08,254.3 895.98,240.4 v1(899,240.4)
IIC1_SDA: R41.2 stm32h743VIT6.93 U3.16 | length 458.3
  Top Layer w12: stm32h743VIT6.93@789.73,442.18 789.73,355.39 v1(830.85,314.26) ; R41.2@907.03,104.1 907.03,105.08 927.9,125.95 931.1,125.95 932.42,127.28 932.42,161.58 U3.16@932.33,161.68
  Bottom Layer w12: v1(830.85,314.26) 832,313.11 855.99,313.11 932.6,236.5 v1(932.6,127.1)
IIC2_SCL: R44.2 stm32h743VIT6.46 U4.8 | length 361.1
  Top Layer w10: stm32h743VIT6.46@533.82,1052.42 534.1,1052.7 534.1,1094.39 541.81,1102.1 571.8,1102.1 586.9,1117.2 586.9,1149 595.68,1157.78 675.71,1157.78 696.55,1136.94 760.78,1136.94 769.21,1145.37 R44.2@796.1,1145.37
IIC2_SDA: R40.1 stm32h743VIT6.47 U4.7 | length 365.8
  Top Layer w10: stm32h743VIT6.47@514.13,1052.42 514.13,1106.39 526.44,1118.7 562.14,1118.7 568,1124.56 568,1188.4 585.1,1205.5 635.84,1205.5 U4.7@637.33,1206.99 637.33,1221.57 624.7,1234.2 574,1234.2 565.7,1242.5 R40.1@565.7,1257.17
LED_2812: LED.1 stm32h743VIT6.67 | length 578.6
  Top Layer w10: v1(321,666.7) 321.93,667.63 385.25,667.63 stm32h743VIT6.67@386.18,668.56
  Bottom Layer w10: LED.1@151.3,224.3 151.3,334.12 317.66,500.49 317.66,663.36 v1(321,666.7)
NetBOOT_1: BOOT.1 R8.1 | length 115.1
  Top Layer w10: BOOT.1@553.3,310.82 631.58,310.82 642.4,300 642.4,281.2 R8.1@644.3,279.3
NetC2_2: C2.2 C3.2 Q1.2 stm32h743VIT6.20 | length 431.9
  Top Layer w10: stm32h743VIT6.20@996.42,885.1 1177.6,885.1 1201.6,909.1 Q1.2@1201.6,999.51 ; C2.2@1144.5,998.64 1200.72,998.64 Q1.2@1201.6,999.51 ; C3.2@1206.88,1066.2 1201.6,1060.91 Q1.2@1201.6,999.51
NetC12_2: C12.2 stm32h743VIT6.12 Y1.2 | length 319.3
  Top Layer w10: stm32h743VIT6.12@996.42,727.61 1128.19,727.61 1140.4,715.4 1160.87,715.4 C12.2@1161.5,716.03 1249.07,716.03 1258.8,706.3 1258.8,659.89 Y1.2@1258,659.09
NetC13_2: C13.2 stm32h743VIT6.13 Y1.1 | length 316.4
  Top Layer w10: stm32h743VIT6.13@996.42,747.3 1119.4,747.3 1137.5,765.4 1158.4,765.4 C13.2@1161.5,768.5 1247.8,768.5 1255,775.7 1255,817.51 Y1.1@1258,820.51
NetC14_2: C14.2 NRST.1 stm32h743VIT6.14 | length 758.6
  Top Layer w10: stm32h743VIT6.14@996.42,766.99 1096.88,766.99 v1(1127.8,797.9)
  Top Layer w12: C14.2@1161.3,575.77 1161.53,576 1250.7,576 1276.78,549.92 NRST.1@1346.3,549.92 1346.3,640.1 1325.9,660.5 1325.9,736.5 1303.7,758.7 v1(1289.9,758.7)
  Power w10: v1(1127.8,797.9) 1154.3,797.9 1193.5,758.7 v1(1289.9,758.7)
NetC15_2: C15.2 stm32h743VIT6.48 | length 114.3
  Top Layer w10: stm32h743VIT6.48@494.45,1052.42 494.45,1110.32 533.62,1149.49 C15.2@534.6,1149.49
NetC16_2: C16.2 stm32h743VIT6.73 | length 172.4
  Top Layer w10: C16.2@299.3,459.62 300.3,460.62 300.3,542.3 308.45,550.45 stm32h743VIT6.73@386.18,550.45
NetC22_1: C22.1 M1.3 | length 73.2
  Top Layer w10: C22.1@1061.91,1187.3 1071.91,1197.3 1092.8,1197.3 1102.96,1207.46 M1.3@1126.8,1207.46
NetC35_1: C35.1 L1.1 U？.3
NetC35_2: C35.2 R21.1 | length 53.9
  Bottom Layer w12: R21.1@1318.06,520.2 C35.2@1318.06,574.15
NetC39_1: C39.1 R28.2 | length 60.6
  Bottom Layer w15: R28.2@1223.96,304.4 C39.1@1284.6,304.4
NetC39_2: C39.2 R27.1 R31.1 R33.1 | length 723.4
  Bottom Layer w12: R31.1@1100.94,304.4 1100.94,284.36 1111.5,273.8 1306.8,273.8 1318.06,285.06 C39.2@1318.06,304.4 1318.06,358.35 1318.06,359.33 1350.1,391.37 1350.1,646.9 1334.2,662.8 1292.7,662.8 1284.6,654.7 R33.1@1284.6,628.1
NetC41_2: C41.2 U？.7 | length 68.5
  Bottom Layer w12: U？.7@1218.2,407.3 1220.07,409.18 1281.48,409.18 C41.2@1284.6,412.3
NetC43_1: C43.1 IC1.26 | length 97.8
  Bottom Layer w12: IC1.26@489.46,1168.35 489.8,1168.69 489.8,1199.2 511.6,1221 511.6,1243.86 C43.1@520.9,1253.16
NetC43_2: C43.2 C44.2 R35.1 | length 154.1
  Bottom Layer w15: R35.1@367.9,1320.67 436.33,1320.67 C44.2@438.9,1323.24 C43.2@520.9,1323.24
NetC44_1: C44.1 IC1.25 | length 95.2
  Bottom Layer w12: C44.1@438.9,1253.16 448.8,1243.26 448.8,1227.5 463.87,1212.43 IC1.25@463.87,1168.35
NetC45_1: C45.1 IC1.22 | length 82.6
  Bottom Layer w10: C45.1@367.9,1243.02 371.2,1239.72 371.2,1222.7 387.1,1206.8 IC1.22@387.1,1168.35
NetC49_1: C49.1 IC2.20 | length 61.8
  Bottom Layer w10: C49.1@458.5,608.93 458.58,608.85 520.11,608.85 IC2.20@520.19,608.77
NetC52_1: C52.1 IC*1.14 | length 63.4
  Bottom Layer w10: C52.1@607,836.04 610.12,839.15 620.7,839.15 646.98,865.43 IC*1.14@658.19,865.43
NetC56_2: C56.2 IC2.10 | length 85.8
  Bottom Layer w12: IC2.10@681.61,628.46 713.84,628.46 723.37,618.93 C56.2@763.5,618.93
NetC57_2: C57.2 U3.10 | length 75.2
  Top Layer w12: C57.2@775.3,252.3 775.3,251.32 794.07,232.54 U3.10@841.78,232.54
NetC60_1: C60.1 U3.12 | length 62.1
  Top Layer w12: C60.1@781.3,189.3 785.08,193.08 841.68,193.08 U3.12@841.78,193.17
NetC60_2: C60.2 U3.8 | length 261.8
  Top Layer w8: U3.8@873.27,283.72 875.18,281.82 v1@875.18,196.36
  Top Layer w12: v1(745.1,168.9) 746.25,170.05 746.25,187.71 C60.2@747.84,189.3
  Power w10: v1(745.1,168.9) 745.5,168.5 864.1,168.5 876.46,180.86 v1(876.46,196.36)
NetCA1_8: CA1.8 R10.1 | length 55.1
  Top Layer w15: CA1.8@365.3,106.9 365.58,107.18 419.92,107.18 R10.1@420.2,107.47
NetD1_2: D1.2 R1.2 | length 68.5
  Top Layer w10: D1.2@1104.33,507.3 1104.5,507.47 R1.2@1104.5,575.77
NetIC1_5: IC1.5 X1.3 | length 223.5
  Bottom Layer w10: X1.3@436.52,751.93 444.44,759.85 471.25,759.85 480.2,768.8 480.2,851.9 438.62,893.48 438.62,923.91 IC1.5@438.28,924.25